# Altium PCB VALVEBOARD_Kun.PcbDoc (part 4 of 13) (continued)
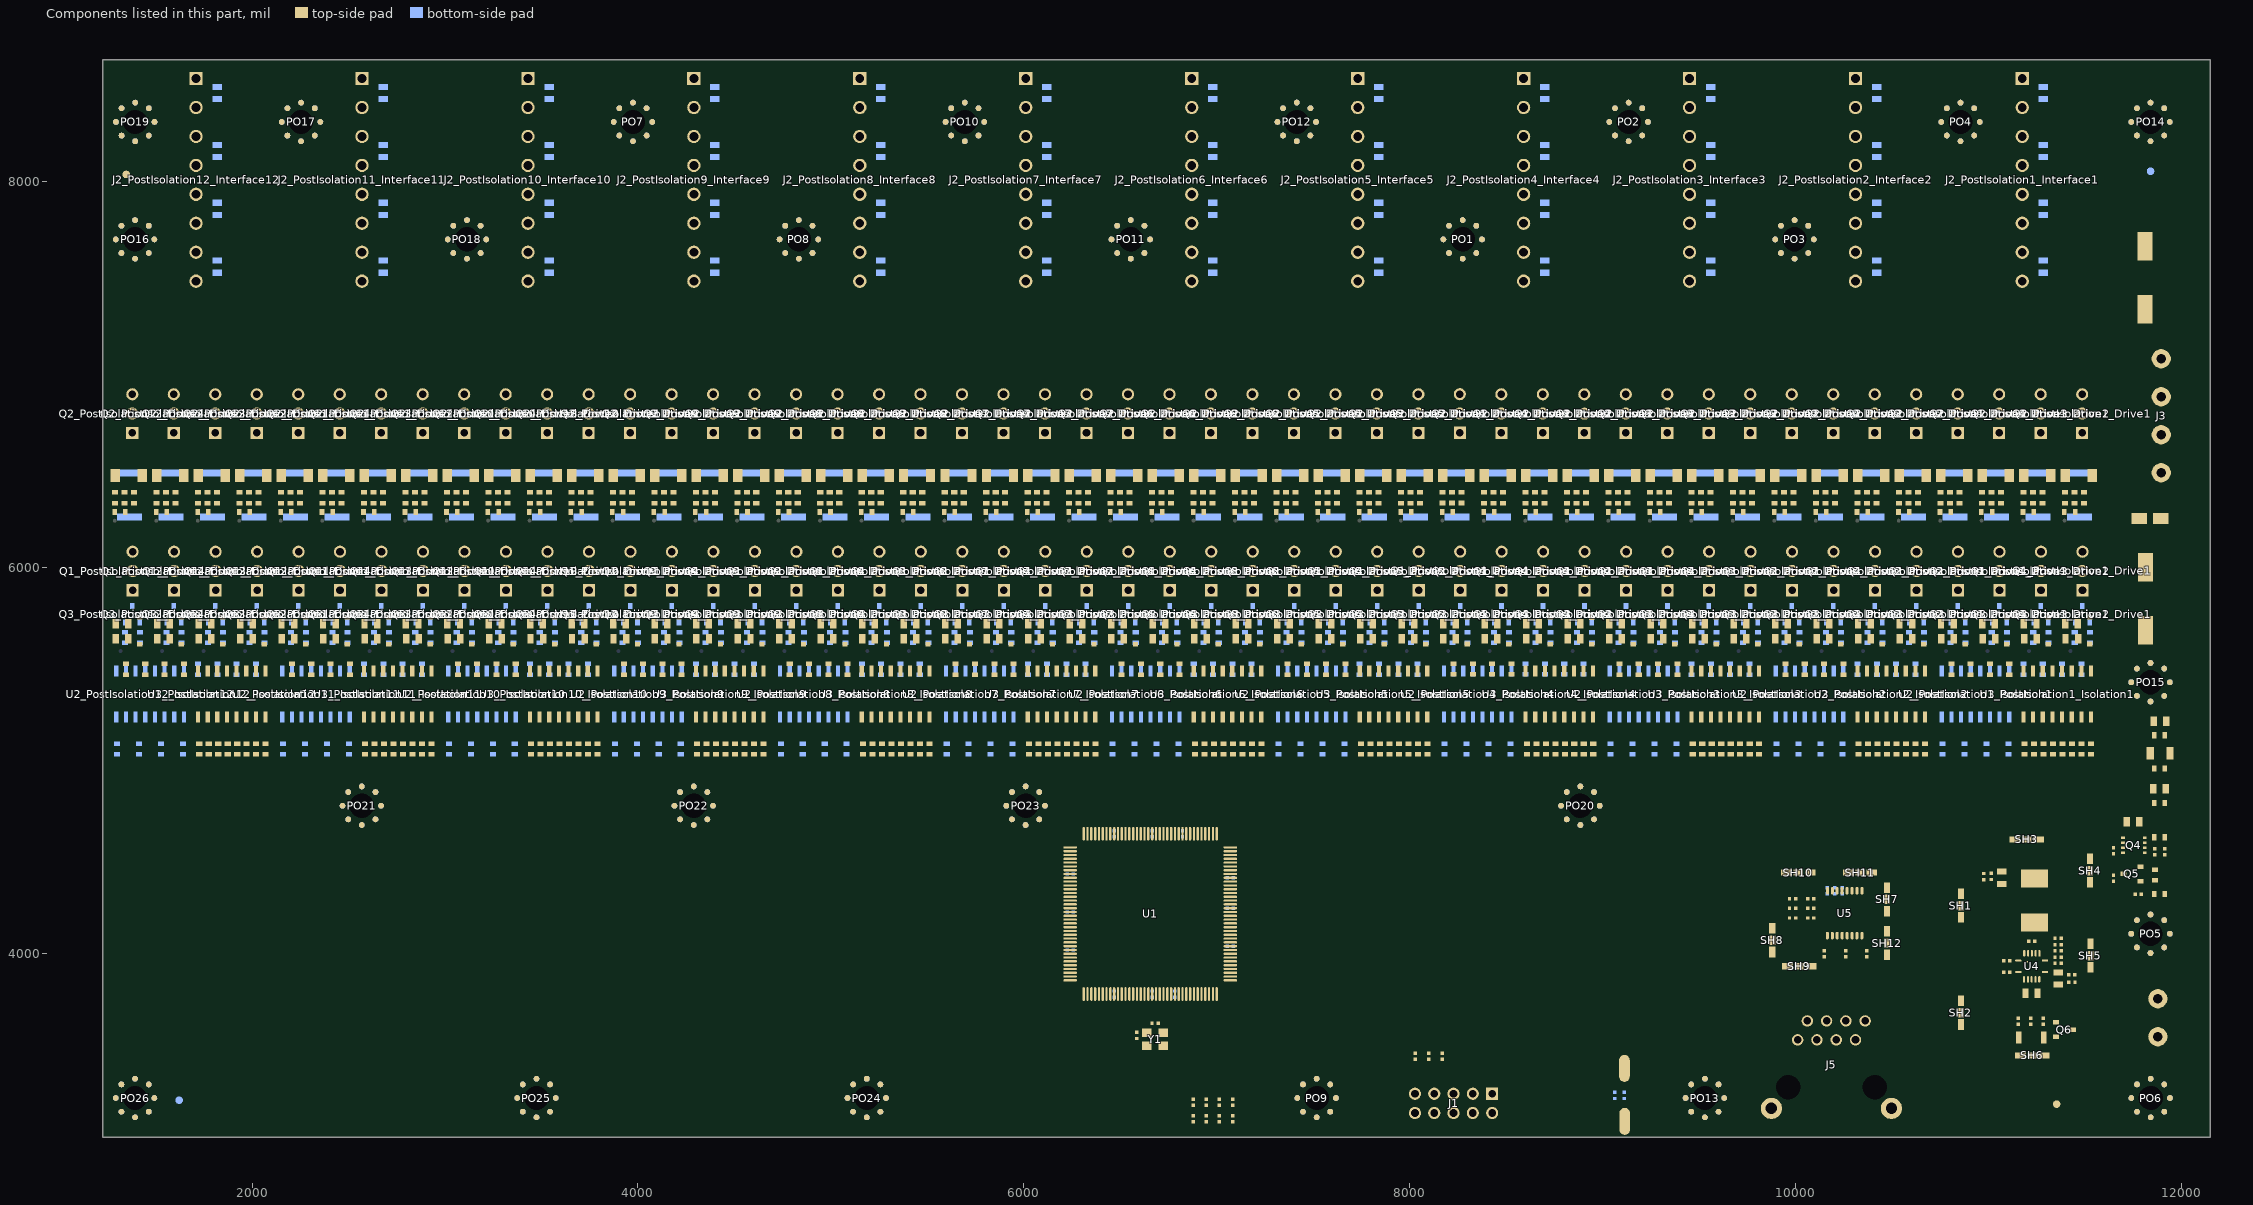
[diagram p4: the components of this part, seen from the top]
## Footprints (in the part's own frame and the unit in brackets; to place one, negate y for a bottom-side part, rotate by r counter-clockwise, add the part's x,y. Pads: shape width x height; smd on the part's side, far side on the other; paste and mask are expansions set on the pad) (continued)
  oval 0.3x1.8 smd: 37(-8.75,-10.55) 38(-8.25,-10.55) 39(-7.75,-10.55) 40(-7.25,-10.55) 41(-6.75,-10.55) 42(-6.25,-10.55) 43(-5.75,-10.55) 44(-5.25,-10.55) 45(-4.75,-10.55) 46(-4.25,-10.55) 47(-3.75,-10.55) 48(-3.25,-10.55) 49(-2.75,-10.55) 50(-2.25,-10.55) 51(-1.75,-10.55) 52(-1.25,-10.55) 53(-0.75,-10.55) 54(-0.25,-10.55) 55(0.25,-10.55) 56(0.75,-10.55) 57(1.25,-10.55) 58(1.75,-10.55) 59(2.25,-10.55) 60(2.75,-10.55) 61(3.25,-10.55) 62(3.75,-10.55) 63(4.25,-10.55) 64(4.75,-10.55) 65(5.25,-10.55) 66(5.75,-10.55) 67(6.25,-10.55) 68(6.75,-10.55) 69(7.25,-10.55) 70(7.75,-10.55) 71(8.25,-10.55) 72(8.75,-10.55) 109(8.75,10.55) 110(8.25,10.55) 111(7.75,10.55) 112(7.25,10.55) 113(6.75,10.55) 114(6.25,10.55) 115(5.75,10.55) 116(5.25,10.55) 117(4.75,10.55) 118(4.25,10.55) 119(3.75,10.55) 120(3.25,10.55) 121(2.75,10.55) 122(2.25,10.55) 123(1.75,10.55) 124(1.25,10.55) 125(0.75,10.55) 126(0.25,10.55) 127(-0.25,10.55) 128(-0.75,10.55) 129(-1.25,10.55) 130(-1.75,10.55) 131(-2.25,10.55) 132(-2.75,10.55) 133(-3.25,10.55) 134(-3.75,10.55) 135(-4.25,10.55) 136(-4.75,10.55) 137(-5.25,10.55) 138(-5.75,10.55) 139(-6.25,10.55) 140(-6.75,10.55) 141(-7.25,10.55) 142(-7.75,10.55) 143(-8.25,10.55) 144(-8.75,10.55)
  silkscreen extent -10.67,-9.25 9.25,9.57, body extent -10,-10 10,10, height 1.6
WSD30L40DN [mm]
  rect 0.35x0.47 smd: D(-0.975,1.445) D(-0.325,1.445) D(0.325,1.445) D(0.975,1.445)
  rect 0.35x0.55 smd: G(0.975,-1.445) S(-0.975,-1.445) S(-0.325,-1.445) S(0.325,-1.445)
  Top Layer region: -1.3,-0.62 1.3,-0.62 1.3,1.22 -1.3,1.22
  silkscreen extent -1.55,-1.55 1.55,1.55
ZMM5V6-M [mm] "MELF Diode, 2-Leads, Body 3.50x1.45mm, IPC High Density"
  rect 0.75x1.6 smd: 1(-1.65,0) 2(1.65,0)
  silkscreen extent -0.9,-0.7 0.9,0.7

## Part data
C1 C2 C3 C4 C5 C6 C7 C8 C9 C10 C11 C12 C13 C14 C15_PostIsolation1_Isolation1 C15_PostIsolation2_Isolation2 C15_PostIsolation3_Isolation3 C15_PostIsolation4_Isolation4 C15_PostIsolation5_Isolation5 C15_PostIsolation6_Isolation6 C15_PostIsolation7_Isolation7 C15_PostIsolation8_Isolation8 C15_PostIsolation9_Isolation9 C15_PostIsolation10_Isolation10 C15_PostIsolation11_Isolation11 C15_PostIsolation12_Isolation12 C16_PostIsolation1_Isolation1 C16_PostIsolation2_Isolation2 C16_PostIsolation3_Isolation3 C16_PostIsolation4_Isolation4 C16_PostIsolation5_Isolation5 C16_PostIsolation6_Isolation6 C16_PostIsolation7_Isolation7 C16_PostIsolation8_Isolation8 C16_PostIsolation9_Isolation9 C16_PostIsolation10_Isolation10 C16_PostIsolation11_Isolation11 C16_PostIsolation12_Isolation12 C17_PostIsolation1_Isolation1 C17_PostIsolation2_Isolation2 C17_PostIsolation3_Isolation3 C17_PostIsolation4_Isolation4 C17_PostIsolation5_Isolation5 C17_PostIsolation6_Isolation6 C17_PostIsolation7_Isolation7 C17_PostIsolation8_Isolation8 C17_PostIsolation9_Isolation9 C17_PostIsolation10_Isolation10 C17_PostIsolation11_Isolation11 C17_PostIsolation12_Isolation12 C18_PostIsolation1_Isolation1 C18_PostIsolation2_Isolation2 C18_PostIsolation3_Isolation3 C18_PostIsolation4_Isolation4 C18_PostIsolation5_Isolation5 C18_PostIsolation6_Isolation6 C18_PostIsolation7_Isolation7 C18_PostIsolation8_Isolation8 C18_PostIsolation9_Isolation9 C18_PostIsolation10_Isolation10 C18_PostIsolation11_Isolation11 C18_PostIsolation12_Isolation12 C19_PostIsolation1_Isolation1 C19_PostIsolation2_Isolation2 C19_PostIsolation3_Isolation3 C19_PostIsolation4_Isolation4 C19_PostIsolation5_Isolation5 C19_PostIsolation6_Isolation6 C19_PostIsolation7_Isolation7 C19_PostIsolation8_Isolation8 C19_PostIsolation9_Isolation9 C19_PostIsolation10_Isolation10 C19_PostIsolation11_Isolation11 C19_PostIsolation12_Isolation12 C20_PostIsolation1_Isolation1 C20_PostIsolation2_Isolation2 C20_PostIsolation3_Isolation3 C20_PostIsolation4_Isolation4 C20_PostIsolation5_Isolation5 C20_PostIsolation6_Isolation6 C20_PostIsolation7_Isolation7 C20_PostIsolation8_Isolation8 C20_PostIsolation9_Isolation9 C20_PostIsolation10_Isolation10 C20_PostIsolation11_Isolation11 C20_PostIsolation12_Isolation12 C21_PostIsolation1_Isolation1 C21_PostIsolation2_Isolation2 C21_PostIsolation3_Isolation3 C21_PostIsolation4_Isolation4 C21_PostIsolation5_Isolation5 C21_PostIsolation6_Isolation6 C21_PostIsolation7_Isolation7 C21_PostIsolation8_Isolation8 C21_PostIsolation9_Isolation9 C21_PostIsolation10_Isolation10 C21_PostIsolation11_Isolation11 C21_PostIsolation12_Isolation12 C22_PostIsolation1_Isolation1 C22_PostIsolation2_Isolation2 C22_PostIsolation3_Isolation3 C22_PostIsolation4_Isolation4 C22_PostIsolation5_Isolation5 C22_PostIsolation6_Isolation6 C22_PostIsolation7_Isolation7 C22_PostIsolation8_Isolation8 C22_PostIsolation9_Isolation9 C22_PostIsolation10_Isolation10 C22_PostIsolation11_Isolation11 C22_PostIsolation12_Isolation12 C23_PostIsolation1_Interface1 C23_PostIsolation2_Interface2 C23_PostIsolation3_Interface3 C23_PostIsolation4_Interface4 C23_PostIsolation5_Interface5 C23_PostIsolation6_Interface6 C23_PostIsolation7_Interface7 C23_PostIsolation8_Interface8 C23_PostIsolation9_Interface9 C23_PostIsolation10_Interface10 C23_PostIsolation11_Interface11 C23_PostIsolation12_Interface12 C24_PostIsolation1_Interface1 C24_PostIsolation2_Interface2 C24_PostIsolation3_Interface3 C24_PostIsolation4_Interface4 C24_PostIsolation5_Interface5 C24_PostIsolation6_Interface6 C24_PostIsolation7_Interface7 C24_PostIsolation8_Interface8 C24_PostIsolation9_Interface9 C24_PostIsolation10_Interface10 C24_PostIsolation11_Interface11 C24_PostIsolation12_Interface12 C25_PostIsolation1_Interface1 C25_PostIsolation2_Interface2 C25_PostIsolation3_Interface3 C25_PostIsolation4_Interface4 C25_PostIsolation5_Interface5 C25_PostIsolation6_Interface6 C25_PostIsolation7_Interface7 C25_PostIsolation8_Interface8 C25_PostIsolation9_Interface9 C25_PostIsolation10_Interface10 C25_PostIsolation11_Interface11 C25_PostIsolation12_Interface12 C26_PostIsolation1_Interface1 C26_PostIsolation2_Interface2 C26_PostIsolation3_Interface3 C26_PostIsolation4_Interface4 C26_PostIsolation5_Interface5 C26_PostIsolation6_Interface6 C26_PostIsolation7_Interface7 C26_PostIsolation8_Interface8 C26_PostIsolation9_Interface9 C26_PostIsolation10_Interface10 C26_PostIsolation11_Interface11 C26_PostIsolation12_Interface12 C27_PostIsolation1_Drive1 C27_PostIsolation1_Drive2 C27_PostIsolation1_Drive3 C27_PostIsolation1_Drive4 C27_PostIsolation2_Drive1 C27_PostIsolation2_Drive2 C27_PostIsolation2_Drive3 C27_PostIsolation2_Drive4 C27_PostIsolation3_Drive1 C27_PostIsolation3_Drive2 C27_PostIsolation3_Drive3 C27_PostIsolation3_Drive4 C27_PostIsolation4_Drive1 C27_PostIsolation4_Drive2 C27_PostIsolation4_Drive3 C27_PostIsolation4_Drive4 C27_PostIsolation5_Drive1 C27_PostIsolation5_Drive2 C27_PostIsolation5_Drive3 C27_PostIsolation5_Drive4 C27_PostIsolation6_Drive1 C27_PostIsolation6_Drive2 C27_PostIsolation6_Drive3 C27_PostIsolation6_Drive4 C27_PostIsolation7_Drive1 C27_PostIsolation7_Drive2 C27_PostIsolation7_Drive3 C27_PostIsolation7_Drive4 C27_PostIsolation8_Drive1 C27_PostIsolation8_Drive2 C27_PostIsolation8_Drive3 C27_PostIsolation8_Drive4 C27_PostIsolation9_Drive1 C27_PostIsolation9_Drive2 C27_PostIsolation9_Drive3 C27_PostIsolation9_Drive4 C27_PostIsolation10_Drive1 C27_PostIsolation10_Drive2 C27_PostIsolation10_Drive3 C27_PostIsolation10_Drive4 C27_PostIsolation11_Drive1 C27_PostIsolation11_Drive2 C27_PostIsolation11_Drive3 C27_PostIsolation11_Drive4 C27_PostIsolation12_Drive1 C27_PostIsolation12_Drive2 C27_PostIsolation12_Drive3 C27_PostIsolation12_Drive4 C28_PostIsolation1_Drive1 C28_PostIsolation1_Drive2 C28_PostIsolation1_Drive3 C28_PostIsolation1_Drive4 C28_PostIsolation2_Drive1 C28_PostIsolation2_Drive2 C28_PostIsolation2_Drive3 C28_PostIsolation2_Drive4 C28_PostIsolation3_Drive1 C28_PostIsolation3_Drive2 C28_PostIsolation3_Drive3 C28_PostIsolation3_Drive4 C28_PostIsolation4_Drive1 C28_PostIsolation4_Drive2 C28_PostIsolation4_Drive3 C28_PostIsolation4_Drive4 C28_PostIsolation5_Drive1 C28_PostIsolation5_Drive2 C28_PostIsolation5_Drive3 C28_PostIsolation5_Drive4 C28_PostIsolation6_Drive1 C28_PostIsolation6_Drive2 C28_PostIsolation6_Drive3 C28_PostIsolation6_Drive4 C28_PostIsolation7_Drive1 C28_PostIsolation7_Drive2 C28_PostIsolation7_Drive3 C28_PostIsolation7_Drive4 C28_PostIsolation8_Drive1 C28_PostIsolation8_Drive2 C28_PostIsolation8_Drive3 C28_PostIsolation8_Drive4 C28_PostIsolation9_Drive1 C28_PostIsolation9_Drive2 C28_PostIsolation9_Drive3 C28_PostIsolation9_Drive4 C28_PostIsolation10_Drive1 C28_PostIsolation10_Drive2 C28_PostIsolation10_Drive3 C28_PostIsolation10_Drive4 C28_PostIsolation11_Drive1 C28_PostIsolation11_Drive2 C28_PostIsolation11_Drive3 C28_PostIsolation11_Drive4 C28_PostIsolation12_Drive1 C28_PostIsolation12_Drive2 C28_PostIsolation12_Drive3 C28_PostIsolation12_Drive4 C31 C32 C33 C34 C35 C36 C37 C38 C39 C40 C41 C42 C43 C44: voltage=25V, precision=5%
C29 C30: voltage=35V
D5_PostIsolation1_Drive1 D5_PostIsolation1_Drive2 D5_PostIsolation1_Drive3 D5_PostIsolation1_Drive4 D5_PostIsolation2_Drive1 D5_PostIsolation2_Drive2 D5_PostIsolation2_Drive3 D5_PostIsolation2_Drive4 D5_PostIsolation3_Drive1 D5_PostIsolation3_Drive2 D5_PostIsolation3_Drive3 D5_PostIsolation3_Drive4 D5_PostIsolation4_Drive1 D5_PostIsolation4_Drive2 D5_PostIsolation4_Drive3 D5_PostIsolation4_Drive4 D5_PostIsolation5_Drive1 D5_PostIsolation5_Drive2 D5_PostIsolation5_Drive3 D5_PostIsolation5_Drive4 D5_PostIsolation6_Drive1 D5_PostIsolation6_Drive2 D5_PostIsolation6_Drive3 D5_PostIsolation6_Drive4 D5_PostIsolation7_Drive1 D5_PostIsolation7_Drive2 D5_PostIsolation7_Drive3 D5_PostIsolation7_Drive4 D5_PostIsolation8_Drive1 D5_PostIsolation8_Drive2 D5_PostIsolation8_Drive3 D5_PostIsolation8_Drive4 D5_PostIsolation9_Drive1 D5_PostIsolation9_Drive2 D5_PostIsolation9_Drive3 D5_PostIsolation9_Drive4 D5_PostIsolation10_Drive1 D5_PostIsolation10_Drive2 D5_PostIsolation10_Drive3 D5_PostIsolation10_Drive4 D5_PostIsolation11_Drive1 D5_PostIsolation11_Drive2 D5_PostIsolation11_Drive3 D5_PostIsolation11_Drive4 D5_PostIsolation12_Drive1 D5_PostIsolation12_Drive2 D5_PostIsolation12_Drive3 D5_PostIsolation12_Drive4 D6_PostIsolation1_Drive1 D6_PostIsolation1_Drive2 D6_PostIsolation1_Drive3 D6_PostIsolation1_Drive4 D6_PostIsolation2_Drive1 D6_PostIsolation2_Drive2 D6_PostIsolation2_Drive3 D6_PostIsolation2_Drive4 D6_PostIsolation3_Drive1 D6_PostIsolation3_Drive2 D6_PostIsolation3_Drive3 D6_PostIsolation3_Drive4 D6_PostIsolation4_Drive1 D6_PostIsolation4_Drive2 D6_PostIsolation4_Drive3 D6_PostIsolation4_Drive4 D6_PostIsolation5_Drive1 D6_PostIsolation5_Drive2 D6_PostIsolation5_Drive3 D6_PostIsolation5_Drive4 D6_PostIsolation6_Drive1 D6_PostIsolation6_Drive2 D6_PostIsolation6_Drive3 D6_PostIsolation6_Drive4 D6_PostIsolation7_Drive1 D6_PostIsolation7_Drive2 D6_PostIsolation7_Drive3 D6_PostIsolation7_Drive4 D6_PostIsolation8_Drive1 D6_PostIsolation8_Drive2 D6_PostIsolation8_Drive3 D6_PostIsolation8_Drive4 D6_PostIsolation9_Drive1 D6_PostIsolation9_Drive2 D6_PostIsolation9_Drive3 D6_PostIsolation9_Drive4 D6_PostIsolation10_Drive1 D6_PostIsolation10_Drive2 D6_PostIsolation10_Drive3 D6_PostIsolation10_Drive4 D6_PostIsolation11_Drive1 D6_PostIsolation11_Drive2 D6_PostIsolation11_Drive3 D6_PostIsolation11_Drive4 D6_PostIsolation12_Drive1 D6_PostIsolation12_Drive2 D6_PostIsolation12_Drive3 D6_PostIsolation12_Drive4: library part DIOD1
D7: Supplier Part Number 1=C8678, Supplier 1=LCSC
D11: Supplier Part Number 1=C8062, Supplier 1=LCSC
J5: library part RJ45-UP
L1: library part L, Code_IEC=1005, Code_JEITA=0402, LatestRevisionDate=29-May-2009, LatestRevisionNote="IPC-7351 Footprint Added.", PackageDescription="Chip Inductor", PackageReference=0402-A, Published=8-Jun-2000, Publisher="Altium Limited"
Q1_PostIsolation1_Drive1 Q1_PostIsolation1_Drive2 Q1_PostIsolation1_Drive3 Q1_PostIsolation1_Drive4 Q1_PostIsolation2_Drive1 Q1_PostIsolation2_Drive2 Q1_PostIsolation2_Drive3 Q1_PostIsolation2_Drive4 Q1_PostIsolation3_Drive1 Q1_PostIsolation3_Drive2 Q1_PostIsolation3_Drive3 Q1_PostIsolation3_Drive4 Q1_PostIsolation4_Drive1 Q1_PostIsolation4_Drive2 Q1_PostIsolation4_Drive3 Q1_PostIsolation4_Drive4 Q1_PostIsolation5_Drive1 Q1_PostIsolation5_Drive2 Q1_PostIsolation5_Drive3 Q1_PostIsolation5_Drive4 Q1_PostIsolation6_Drive1 Q1_PostIsolation6_Drive2 Q1_PostIsolation6_Drive3 Q1_PostIsolation6_Drive4 Q1_PostIsolation7_Drive1 Q1_PostIsolation7_Drive2 Q1_PostIsolation7_Drive3 Q1_PostIsolation7_Drive4 Q1_PostIsolation8_Drive1 Q1_PostIsolation8_Drive2 Q1_PostIsolation8_Drive3 Q1_PostIsolation8_Drive4 Q1_PostIsolation9_Drive1 Q1_PostIsolation9_Drive2 Q1_PostIsolation9_Drive3 Q1_PostIsolation9_Drive4 Q1_PostIsolation10_Drive1 Q1_PostIsolation10_Drive2 Q1_PostIsolation10_Drive3 Q1_PostIsolation10_Drive4 Q1_PostIsolation11_Drive1 Q1_PostIsolation11_Drive2 Q1_PostIsolation11_Drive3 Q1_PostIsolation11_Drive4 Q1_PostIsolation12_Drive1 Q1_PostIsolation12_Drive2 Q1_PostIsolation12_Drive3 Q1_PostIsolation12_Drive4: "P-Channel Power MOSFET", ComponentLink1Description="Manufacturer Link", ComponentLink1URL=http://www.irf.com/, DatasheetVersion=PD-9.390D, LatestRevisionDate=17-Jul-2002, LatestRevisionNote="Re-released for DXP Platform.", Note="Pin 4 not drawn and electrically connected to Pin 2.", PackageDescription="TO, Thru-Hole, Vertical, Heatsink Mounted; 3 In-Line Leads; Pitch 2.54 mm", PackageReference=TO-220AB, PackageVersion=Feb-1997, Published=8-Jun-2000, Publisher="Altium Limited"
Q2_PostIsolation1_Drive1 Q2_PostIsolation1_Drive2 Q2_PostIsolation1_Drive3 Q2_PostIsolation1_Drive4 Q2_PostIsolation2_Drive1 Q2_PostIsolation2_Drive2 Q2_PostIsolation2_Drive3 Q2_PostIsolation2_Drive4 Q2_PostIsolation3_Drive1 Q2_PostIsolation3_Drive2 Q2_PostIsolation3_Drive3 Q2_PostIsolation3_Drive4 Q2_PostIsolation4_Drive1 Q2_PostIsolation4_Drive2 Q2_PostIsolation4_Drive3 Q2_PostIsolation4_Drive4 Q2_PostIsolation5_Drive1 Q2_PostIsolation5_Drive2 Q2_PostIsolation5_Drive3 Q2_PostIsolation5_Drive4 Q2_PostIsolation6_Drive1 Q2_PostIsolation6_Drive2 Q2_PostIsolation6_Drive3 Q2_PostIsolation6_Drive4 Q2_PostIsolation7_Drive1 Q2_PostIsolation7_Drive2 Q2_PostIsolation7_Drive3 Q2_PostIsolation7_Drive4 Q2_PostIsolation8_Drive1 Q2_PostIsolation8_Drive2 Q2_PostIsolation8_Drive3 Q2_PostIsolation8_Drive4 Q2_PostIsolation9_Drive1 Q2_PostIsolation9_Drive2 Q2_PostIsolation9_Drive3 Q2_PostIsolation9_Drive4 Q2_PostIsolation10_Drive1 Q2_PostIsolation10_Drive2 Q2_PostIsolation10_Drive3 Q2_PostIsolation10_Drive4 Q2_PostIsolation11_Drive1 Q2_PostIsolation11_Drive2 Q2_PostIsolation11_Drive3 Q2_PostIsolation11_Drive4 Q2_PostIsolation12_Drive1 Q2_PostIsolation12_Drive2 Q2_PostIsolation12_Drive3 Q2_PostIsolation12_Drive4: "N-Channel Power MOSFET", ComponentLink1Description="Manufacturer Link", ComponentLink1URL=http://www.irf.com/, DatasheetVersion=PD-9.814, LatestRevisionDate=17-Jul-2002, LatestRevisionNote="Re-released for DXP Platform.", Note="Pin 2 is electrically connected to pin 4.", PackageDescription="TO, Thru-Hole, Vertical, Heatsink Mounted; 3 In-Line Leads; Pitch 2.54 mm", PackageReference=TO-220AB, PackageVersion=Feb-1997, Published=8-Jun-2000, Publisher="Altium Limited"
Q3_PostIsolation1_Drive1 Q3_PostIsolation1_Drive2 Q3_PostIsolation1_Drive3 Q3_PostIsolation1_Drive4 Q3_PostIsolation2_Drive1 Q3_PostIsolation2_Drive2 Q3_PostIsolation2_Drive3 Q3_PostIsolation2_Drive4 Q3_PostIsolation3_Drive1 Q3_PostIsolation3_Drive2 Q3_PostIsolation3_Drive3 Q3_PostIsolation3_Drive4 Q3_PostIsolation4_Drive1 Q3_PostIsolation4_Drive2 Q3_PostIsolation4_Drive3 Q3_PostIsolation4_Drive4 Q3_PostIsolation5_Drive1 Q3_PostIsolation5_Drive2 Q3_PostIsolation5_Drive3 Q3_PostIsolation5_Drive4 Q3_PostIsolation6_Drive1 Q3_PostIsolation6_Drive2 Q3_PostIsolation6_Drive3 Q3_PostIsolation6_Drive4 Q3_PostIsolation7_Drive1 Q3_PostIsolation7_Drive2 Q3_PostIsolation7_Drive3 Q3_PostIsolation7_Drive4 Q3_PostIsolation8_Drive1 Q3_PostIsolation8_Drive2 Q3_PostIsolation8_Drive3 Q3_PostIsolation8_Drive4 Q3_PostIsolation9_Drive1 Q3_PostIsolation9_Drive2 Q3_PostIsolation9_Drive3 Q3_PostIsolation9_Drive4 Q3_PostIsolation10_Drive1 Q3_PostIsolation10_Drive2 Q3_PostIsolation10_Drive3 Q3_PostIsolation10_Drive4 Q3_PostIsolation11_Drive1 Q3_PostIsolation11_Drive2 Q3_PostIsolation11_Drive3 Q3_PostIsolation11_Drive4 Q3_PostIsolation12_Drive1 Q3_PostIsolation12_Drive2 Q3_PostIsolation12_Drive3 Q3_PostIsolation12_Drive4: Supplier Part Number 1=C151498, Supplier 1=LCSC
Q4: Supplier Part Number 1=C148390, Supplier 1=LCSC
Q5: Supplier Part Number 1=C8545, Supplier 1=LCSC
Q6: Supplier Part Number 1=C20917, Supplier 1=LCSC
U1: "MAX II 3.3/2.5V CPLD, 116 IOs, 1,270 Logic Elements, 144-Pin Plastic TQFP, Commercial Temperature, Speed Grade 5, Pb-Free", Code_JEDEC=MS-026-BFB, ComponentLink1Description="Manufacturer URL", ComponentLink1URL=http://www.altera.com/, ComponentLink2Description=Handbook, ComponentLink2URL=http://www.altera.com/literature/hb/max2/max2_mii5v1.pdf, ComponentLink3Description="Package Specification", ComponentLink3URL=http://www.altera.com/literature/ds/dspkg.pdf, DatasheetVersion="ver1.8, Jul-2006", Note="All VCCINT pins must be connected to either 3.3V or 2.5V (but not a combination of both).", PackageDescription="144-Pin Plastic Thin Quad Flat Pack (TQFP144) - Wire Bond", PackageReference=TQFP144, PackageVersion="ver16.3, Dec-2010"
U2_PostIsolation1_Isolation1 U2_PostIsolation2_Isolation2 U2_PostIsolation3_Isolation3 U2_PostIsolation4_Isolation4 U2_PostIsolation5_Isolation5 U2_PostIsolation6_Isolation6 U2_PostIsolation7_Isolation7 U2_PostIsolation8_Isolation8 U2_PostIsolation9_Isolation9 U2_PostIsolation10_Isolation10 U2_PostIsolation11_Isolation11 U2_PostIsolation12_Isolation12 U3_PostIsolation1_Isolation1 U3_PostIsolation2_Isolation2 U3_PostIsolation3_Isolation3 U3_PostIsolation4_Isolation4 U3_PostIsolation5_Isolation5 U3_PostIsolation6_Isolation6 U3_PostIsolation7_Isolation7 U3_PostIsolation8_Isolation8 U3_PostIsolation9_Isolation9 U3_PostIsolation10_Isolation10 U3_PostIsolation11_Isolation11 U3_PostIsolation12_Isolation12: library part PS2801
Y1: frequency=20MHZ
R1 R2 R3 R4 R5 R6 R7 R8 R9 R10 R11 R12 R13 R14_PostIsolation1_Isolation1 R14_PostIsolation2_Isolation2 R14_PostIsolation3_Isolation3 R14_PostIsolation4_Isolation4 R14_PostIsolation5_Isolation5 R14_PostIsolation6_Isolation6 R14_PostIsolation7_Isolation7 R14_PostIsolation8_Isolation8 R14_PostIsolation9_Isolation9 R14_PostIsolation10_Isolation10 R14_PostIsolation11_Isolation11 R14_PostIsolation12_Isolation12 R15_PostIsolation1_Isolation1 R15_PostIsolation2_Isolation2 R15_PostIsolation3_Isolation3 R15_PostIsolation4_Isolation4 R15_PostIsolation5_Isolation5 R15_PostIsolation6_Isolation6 R15_PostIsolation7_Isolation7 R15_PostIsolation8_Isolation8 R15_PostIsolation9_Isolation9 R15_PostIsolation10_Isolation10 R15_PostIsolation11_Isolation11 R15_PostIsolation12_Isolation12 R16_PostIsolation1_Isolation1 R16_PostIsolation2_Isolation2 R16_PostIsolation3_Isolation3 R16_PostIsolation4_Isolation4 R16_PostIsolation5_Isolation5 R16_PostIsolation6_Isolation6 R16_PostIsolation7_Isolation7 R16_PostIsolation8_Isolation8 R16_PostIsolation9_Isolation9 R16_PostIsolation10_Isolation10 R16_PostIsolation11_Isolation11 R16_PostIsolation12_Isolation12 R17_PostIsolation1_Isolation1 R17_PostIsolation2_Isolation2 R17_PostIsolation3_Isolation3 R17_PostIsolation4_Isolation4 R17_PostIsolation5_Isolation5 R17_PostIsolation6_Isolation6 R17_PostIsolation7_Isolation7 R17_PostIsolation8_Isolation8 R17_PostIsolation9_Isolation9 R17_PostIsolation10_Isolation10 R17_PostIsolation11_Isolation11 R17_PostIsolation12_Isolation12 R18_PostIsolation1_Isolation1 R18_PostIsolation2_Isolation2 R18_PostIsolation3_Isolation3 R18_PostIsolation4_Isolation4 R18_PostIsolation5_Isolation5 R18_PostIsolation6_Isolation6 R18_PostIsolation7_Isolation7 R18_PostIsolation8_Isolation8 R18_PostIsolation9_Isolation9 R18_PostIsolation10_Isolation10 R18_PostIsolation11_Isolation11 R18_PostIsolation12_Isolation12 R19_PostIsolation1_Isolation1 R19_PostIsolation2_Isolation2 R19_PostIsolation3_Isolation3 R19_PostIsolation4_Isolation4 R19_PostIsolation5_Isolation5 R19_PostIsolation6_Isolation6 R19_PostIsolation7_Isolation7 R19_PostIsolation8_Isolation8 R19_PostIsolation9_Isolation9 R19_PostIsolation10_Isolation10 R19_PostIsolation11_Isolation11 R19_PostIsolation12_Isolation12 R20_PostIsolation1_Isolation1 R20_PostIsolation2_Isolation2 R20_PostIsolation3_Isolation3 R20_PostIsolation4_Isolation4 R20_PostIsolation5_Isolation5 R20_PostIsolation6_Isolation6 R20_PostIsolation7_Isolation7 R20_PostIsolation8_Isolation8 R20_PostIsolation9_Isolation9 R20_PostIsolation10_Isolation10 R20_PostIsolation11_Isolation11 R20_PostIsolation12_Isolation12 R21_PostIsolation1_Isolation1 R21_PostIsolation2_Isolation2 R21_PostIsolation3_Isolation3 R21_PostIsolation4_Isolation4 R21_PostIsolation5_Isolation5 R21_PostIsolation6_Isolation6 R21_PostIsolation7_Isolation7 R21_PostIsolation8_Isolation8 R21_PostIsolation9_Isolation9 R21_PostIsolation10_Isolation10 R21_PostIsolation11_Isolation11 R21_PostIsolation12_Isolation12 R22_PostIsolation1_Drive1 R22_PostIsolation1_Drive2 R22_PostIsolation1_Drive3 R22_PostIsolation1_Drive4 R22_PostIsolation2_Drive1 R22_PostIsolation2_Drive2 R22_PostIsolation2_Drive3 R22_PostIsolation2_Drive4 R22_PostIsolation3_Drive1 R22_PostIsolation3_Drive2 R22_PostIsolation3_Drive3 R22_PostIsolation3_Drive4 R22_PostIsolation4_Drive1 R22_PostIsolation4_Drive2 R22_PostIsolation4_Drive3 R22_PostIsolation4_Drive4 R22_PostIsolation5_Drive1 R22_PostIsolation5_Drive2 R22_PostIsolation5_Drive3 R22_PostIsolation5_Drive4 R22_PostIsolation6_Drive1 R22_PostIsolation6_Drive2 R22_PostIsolation6_Drive3 R22_PostIsolation6_Drive4 R22_PostIsolation7_Drive1 R22_PostIsolation7_Drive2 R22_PostIsolation7_Drive3 R22_PostIsolation7_Drive4 R22_PostIsolation8_Drive1 R22_PostIsolation8_Drive2 R22_PostIsolation8_Drive3 R22_PostIsolation8_Drive4 R22_PostIsolation9_Drive1 R22_PostIsolation9_Drive2 R22_PostIsolation9_Drive3 R22_PostIsolation9_Drive4 R22_PostIsolation10_Drive1 R22_PostIsolation10_Drive2 R22_PostIsolation10_Drive3 R22_PostIsolation10_Drive4 R22_PostIsolation11_Drive1 R22_PostIsolation11_Drive2 R22_PostIsolation11_Drive3 R22_PostIsolation11_Drive4 R22_PostIsolation12_Drive1 R22_PostIsolation12_Drive2 R22_PostIsolation12_Drive3 R22_PostIsolation12_Drive4 R23_PostIsolation1_Drive1 R23_PostIsolation1_Drive2 R23_PostIsolation1_Drive3 R23_PostIsolation1_Drive4 R23_PostIsolation2_Drive1 R23_PostIsolation2_Drive2 R23_PostIsolation2_Drive3 R23_PostIsolation2_Drive4 R23_PostIsolation3_Drive1 R23_PostIsolation3_Drive2 R23_PostIsolation3_Drive3 R23_PostIsolation3_Drive4 R23_PostIsolation4_Drive1 R23_PostIsolation4_Drive2 R23_PostIsolation4_Drive3 R23_PostIsolation4_Drive4 R23_PostIsolation5_Drive1 R23_PostIsolation5_Drive2 R23_PostIsolation5_Drive3 R23_PostIsolation5_Drive4 R23_PostIsolation6_Drive1 R23_PostIsolation6_Drive2 R23_PostIsolation6_Drive3 R23_PostIsolation6_Drive4 R23_PostIsolation7_Drive1 R23_PostIsolation7_Drive2 R23_PostIsolation7_Drive3 R23_PostIsolation7_Drive4 R23_PostIsolation8_Drive1 R23_PostIsolation8_Drive2 R23_PostIsolation8_Drive3 R23_PostIsolation8_Drive4 R23_PostIsolation9_Drive1 R23_PostIsolation9_Drive2 R23_PostIsolation9_Drive3 R23_PostIsolation9_Drive4 R23_PostIsolation10_Drive1 R23_PostIsolation10_Drive2 R23_PostIsolation10_Drive3 R23_PostIsolation10_Drive4 R23_PostIsolation11_Drive1 R23_PostIsolation11_Drive2 R23_PostIsolation11_Drive3 R23_PostIsolation11_Drive4 R23_PostIsolation12_Drive1 R23_PostIsolation12_Drive2 R23_PostIsolation12_Drive3 R23_PostIsolation12_Drive4 R24_PostIsolation1_Drive1 R24_PostIsolation1_Drive2 R24_PostIsolation1_Drive3 R24_PostIsolation1_Drive4 R24_PostIsolation2_Drive1 R24_PostIsolation2_Drive2 R24_PostIsolation2_Drive3 R24_PostIsolation2_Drive4 R24_PostIsolation3_Drive1 R24_PostIsolation3_Drive2 R24_PostIsolation3_Drive3 R24_PostIsolation3_Drive4 R24_PostIsolation4_Drive1 R24_PostIsolation4_Drive2 R24_PostIsolation4_Drive3 R24_PostIsolation4_Drive4 R24_PostIsolation5_Drive1 R24_PostIsolation5_Drive2 R24_PostIsolation5_Drive3 R24_PostIsolation5_Drive4 R24_PostIsolation6_Drive1 R24_PostIsolation6_Drive2 R24_PostIsolation6_Drive3 R24_PostIsolation6_Drive4 R24_PostIsolation7_Drive1 R24_PostIsolation7_Drive2 R24_PostIsolation7_Drive3 R24_PostIsolation7_Drive4 R24_PostIsolation8_Drive1 R24_PostIsolation8_Drive2 R24_PostIsolation8_Drive3 R24_PostIsolation8_Drive4 R24_PostIsolation9_Drive1 R24_PostIsolation9_Drive2 R24_PostIsolation9_Drive3 R24_PostIsolation9_Drive4 R24_PostIsolation10_Drive1 R24_PostIsolation10_Drive2 R24_PostIsolation10_Drive3 R24_PostIsolation10_Drive4 R24_PostIsolation11_Drive1 R24_PostIsolation11_Drive2 R24_PostIsolation11_Drive3 R24_PostIsolation11_Drive4 R24_PostIsolation12_Drive1 R24_PostIsolation12_Drive2 R24_PostIsolation12_Drive3 R24_PostIsolation12_Drive4 R25_PostIsolation1_Drive1 R25_PostIsolation1_Drive2 R25_PostIsolation1_Drive3 R25_PostIsolation1_Drive4 R25_PostIsolation2_Drive1 R25_PostIsolation2_Drive2 R25_PostIsolation2_Drive3 R25_PostIsolation2_Drive4 R25_PostIsolation3_Drive1 R25_PostIsolation3_Drive2 R25_PostIsolation3_Drive3 R25_PostIsolation3_Drive4 R25_PostIsolation4_Drive1 R25_PostIsolation4_Drive2 R25_PostIsolation4_Drive3 R25_PostIsolation4_Drive4 R25_PostIsolation5_Drive1 R25_PostIsolation5_Drive2 R25_PostIsolation5_Drive3 R25_PostIsolation5_Drive4 R25_PostIsolation6_Drive1 R25_PostIsolation6_Drive2 R25_PostIsolation6_Drive3 R25_PostIsolation6_Drive4 R25_PostIsolation7_Drive1 R25_PostIsolation7_Drive2 R25_PostIsolation7_Drive3 R25_PostIsolation7_Drive4 R25_PostIsolation8_Drive1 R25_PostIsolation8_Drive2 R25_PostIsolation8_Drive3 R25_PostIsolation8_Drive4 R25_PostIsolation9_Drive1 R25_PostIsolation9_Drive2 R25_PostIsolation9_Drive3 R25_PostIsolation9_Drive4 R25_PostIsolation10_Drive1 R25_PostIsolation10_Drive2 R25_PostIsolation10_Drive3 R25_PostIsolation10_Drive4 R25_PostIsolation11_Drive1 R25_PostIsolation11_Drive2 R25_PostIsolation11_Drive3 R25_PostIsolation11_Drive4 R25_PostIsolation12_Drive1 R25_PostIsolation12_Drive2 R25_PostIsolation12_Drive3 R25_PostIsolation12_Drive4 R26_PostIsolation1_Drive1 R26_PostIsolation1_Drive2 R26_PostIsolation1_Drive3 R26_PostIsolation1_Drive4 R26_PostIsolation2_Drive1 R26_PostIsolation2_Drive2 R26_PostIsolation2_Drive3 R26_PostIsolation2_Drive4 R26_PostIsolation3_Drive1 R26_PostIsolation3_Drive2 R26_PostIsolation3_Drive3 R26_PostIsolation3_Drive4 R26_PostIsolation4_Drive1 R26_PostIsolation4_Drive2 R26_PostIsolation4_Drive3 R26_PostIsolation4_Drive4 R26_PostIsolation5_Drive1 R26_PostIsolation5_Drive2 R26_PostIsolation5_Drive3 R26_PostIsolation5_Drive4 R26_PostIsolation6_Drive1 R26_PostIsolation6_Drive2 R26_PostIsolation6_Drive3 R26_PostIsolation6_Drive4 R26_PostIsolation7_Drive1 R26_PostIsolation7_Drive2 R26_PostIsolation7_Drive3 R26_PostIsolation7_Drive4 R26_PostIsolation8_Drive1 R26_PostIsolation8_Drive2 R26_PostIsolation8_Drive3 R26_PostIsolation8_Drive4 R26_PostIsolation9_Drive1 R26_PostIsolation9_Drive2 R26_PostIsolation9_Drive3 R26_PostIsolation9_Drive4 R26_PostIsolation10_Drive1 R26_PostIsolation10_Drive2 R26_PostIsolation10_Drive3 R26_PostIsolation10_Drive4 R26_PostIsolation11_Drive1 R26_PostIsolation11_Drive2 R26_PostIsolation11_Drive3 R26_PostIsolation11_Drive4 R26_PostIsolation12_Drive1 R26_PostIsolation12_Drive2 R26_PostIsolation12_Drive3 R26_PostIsolation12_Drive4 R27_PostIsolation1_Drive1 R27_PostIsolation1_Drive2 R27_PostIsolation1_Drive3 R27_PostIsolation1_Drive4 R27_PostIsolation2_Drive1 R27_PostIsolation2_Drive2 R27_PostIsolation2_Drive3 R27_PostIsolation2_Drive4 R27_PostIsolation3_Drive1 R27_PostIsolation3_Drive2 R27_PostIsolation3_Drive3 R27_PostIsolation3_Drive4 R27_PostIsolation4_Drive1 R27_PostIsolation4_Drive2 R27_PostIsolation4_Drive3 R27_PostIsolation4_Drive4 R27_PostIsolation5_Drive1 R27_PostIsolation5_Drive2 R27_PostIsolation5_Drive3 R27_PostIsolation5_Drive4 R27_PostIsolation6_Drive1 R27_PostIsolation6_Drive2 R27_PostIsolation6_Drive3 R27_PostIsolation6_Drive4 R27_PostIsolation7_Drive1 R27_PostIsolation7_Drive2 R27_PostIsolation7_Drive3 R27_PostIsolation7_Drive4 R27_PostIsolation8_Drive1 R27_PostIsolation8_Drive2 R27_PostIsolation8_Drive3 R27_PostIsolation8_Drive4 R27_PostIsolation9_Drive1 R27_PostIsolation9_Drive2 R27_PostIsolation9_Drive3 R27_PostIsolation9_Drive4 R27_PostIsolation10_Drive1 R27_PostIsolation10_Drive2 R27_PostIsolation10_Drive3 R27_PostIsolation10_Drive4 R27_PostIsolation11_Drive1 R27_PostIsolation11_Drive2 R27_PostIsolation11_Drive3 R27_PostIsolation11_Drive4 R27_PostIsolation12_Drive1 R27_PostIsolation12_Drive2 R27_PostIsolation12_Drive3 R27_PostIsolation12_Drive4 R28_PostIsolation1_Drive1 R28_PostIsolation1_Drive2 R28_PostIsolation1_Drive3 R28_PostIsolation1_Drive4 R28_PostIsolation2_Drive1 R28_PostIsolation2_Drive2 R28_PostIsolation2_Drive3 R28_PostIsolation2_Drive4 R28_PostIsolation3_Drive1 R28_PostIsolation3_Drive2 R28_PostIsolation3_Drive3 R28_PostIsolation3_Drive4 R28_PostIsolation4_Drive1 R28_PostIsolation4_Drive2 R28_PostIsolation4_Drive3 R28_PostIsolation4_Drive4 R28_PostIsolation5_Drive1 R28_PostIsolation5_Drive2 R28_PostIsolation5_Drive3 R28_PostIsolation5_Drive4 R28_PostIsolation6_Drive1 R28_PostIsolation6_Drive2 R28_PostIsolation6_Drive3 R28_PostIsolation6_Drive4 R28_PostIsolation7_Drive1 R28_PostIsolation7_Drive2 R28_PostIsolation7_Drive3 R28_PostIsolation7_Drive4 R28_PostIsolation8_Drive1 R28_PostIsolation8_Drive2 R28_PostIsolation8_Drive3 R28_PostIsolation8_Drive4 R28_PostIsolation9_Drive1 R28_PostIsolation9_Drive2 R28_PostIsolation9_Drive3 R28_PostIsolation9_Drive4 R28_PostIsolation10_Drive1 R28_PostIsolation10_Drive2 R28_PostIsolation10_Drive3 R28_PostIsolation10_Drive4 R28_PostIsolation11_Drive1 R28_PostIsolation11_Drive2 R28_PostIsolation11_Drive3 R28_PostIsolation11_Drive4 R28_PostIsolation12_Drive1 R28_PostIsolation12_Drive2 R28_PostIsolation12_Drive3 R28_PostIsolation12_Drive4 R29 R30 R31 R32 R33 R34 R35 R36 R37 R38 R39 R40 R41 R42 R43 R44 R45 R46 R47 R48 R49 R50 R51 R52 R53 R54: precision=1%

## Free pads (board coordinates)
  round 19.68 smd: ""(1288.37,6243.12) ""(1503.39,6243.12) ""(1718.4,6243.12) ""(1933.42,6243.12) ""(2148.43,6243.12) ""(2363.45,6243.12) ""(2578.46,6243.12) ""(2793.48,6243.12) ""(3008.49,6243.12) ""(3223.51,6243.12) ""(3438.52,6243.12) ""(3653.54,6243.12) ""(3868.55,6243.12) ""(4083.57,6243.12) ""(4298.58,6243.12) ""(4513.6,6243.12) ""(4728.62,6243.12) ""(4943.63,6243.12) ""(5158.65,6243.12) ""(5373.66,6243.12) ""(5588.68,6243.12) ""(5803.69,6243.12) ""(6018.71,6243.12) ""(6233.72,6243.12) ""(6448.74,6243.12) ""(6663.75,6243.12) ""(6878.77,6243.12) ""(7093.78,6243.12) ""(7308.8,6243.12) ""(7523.81,6243.12) ""(7738.83,6243.12) ""(7953.84,6243.12) ""(8168.86,6243.56) ""(8383.87,6243.12) ""(8598.89,6243.12) ""(8813.9,6242.99) ""(9028.92,6243.12) ""(9243.93,6243.12) ""(9458.95,6243.12) ""(9673.96,6243.12) ""(9888.98,6243.12) ""(10104,6243.12) ""(10319.01,6243.12) ""(10534.03,6243.12) ""(10749.15,6243.12) ""(10963.93,6243.12) ""(11179.07,6243.12) ""(11394.08,6243.25)
  round 19.68 smd far side: ""(1318.67,5567.29) ""(1533.68,5567.29) ""(1748.7,5567.29) ""(1963.72,5567.29) ""(2178.73,5567.29) ""(2393.75,5567.29) ""(2608.76,5567.29) ""(2823.78,5567.29) ""(3038.79,5567.29) ""(3253.81,5567.29) ""(3468.82,5567.29) ""(3683.84,5567.29) ""(3898.85,5567.29) ""(4113.87,5567.29) ""(4328.88,5567.29) ""(4543.9,5567.29) ""(4758.91,5567.29) ""(4973.93,5567.29) ""(5188.94,5567.29) ""(5403.96,5567.29) ""(5618.97,5567.29) ""(5833.99,5567.29) ""(6049,5567.29) ""(6264.02,5567.29) ""(6479.03,5567.29) ""(6694.05,5567.29) ""(6909.06,5567.29) ""(7124.08,5567.29) ""(7339.1,5567.29) ""(7554.11,5567.29) ""(7769.13,5567.29) ""(7984.14,5567.29) ""(8199.16,5567.73) ""(8414.17,5567.29) ""(8629.19,5567.29) ""(8844.2,5567.16) ""(9059.22,5567.29) ""(9274.23,5567.29) ""(9489.25,5567.29) ""(9704.26,5567.29) ""(9919.28,5567.29) ""(10134.29,5567.29) ""(10349.31,5567.29) ""(10564.32,5567.29) ""(10779.45,5567.29) ""(10994.22,5567.29) ""(11209.37,5567.29) ""(11424.38,5567.42)

## Via types
v1: diameter 19.68, hole 11.81, Top Layer to Bottom Layer, tented both sides, 1364 vias
v2: diameter 19.68, hole 11.81, Top Layer to Bottom Layer, 54 vias